# KiCad board fpga.kicad_pcb (continued)
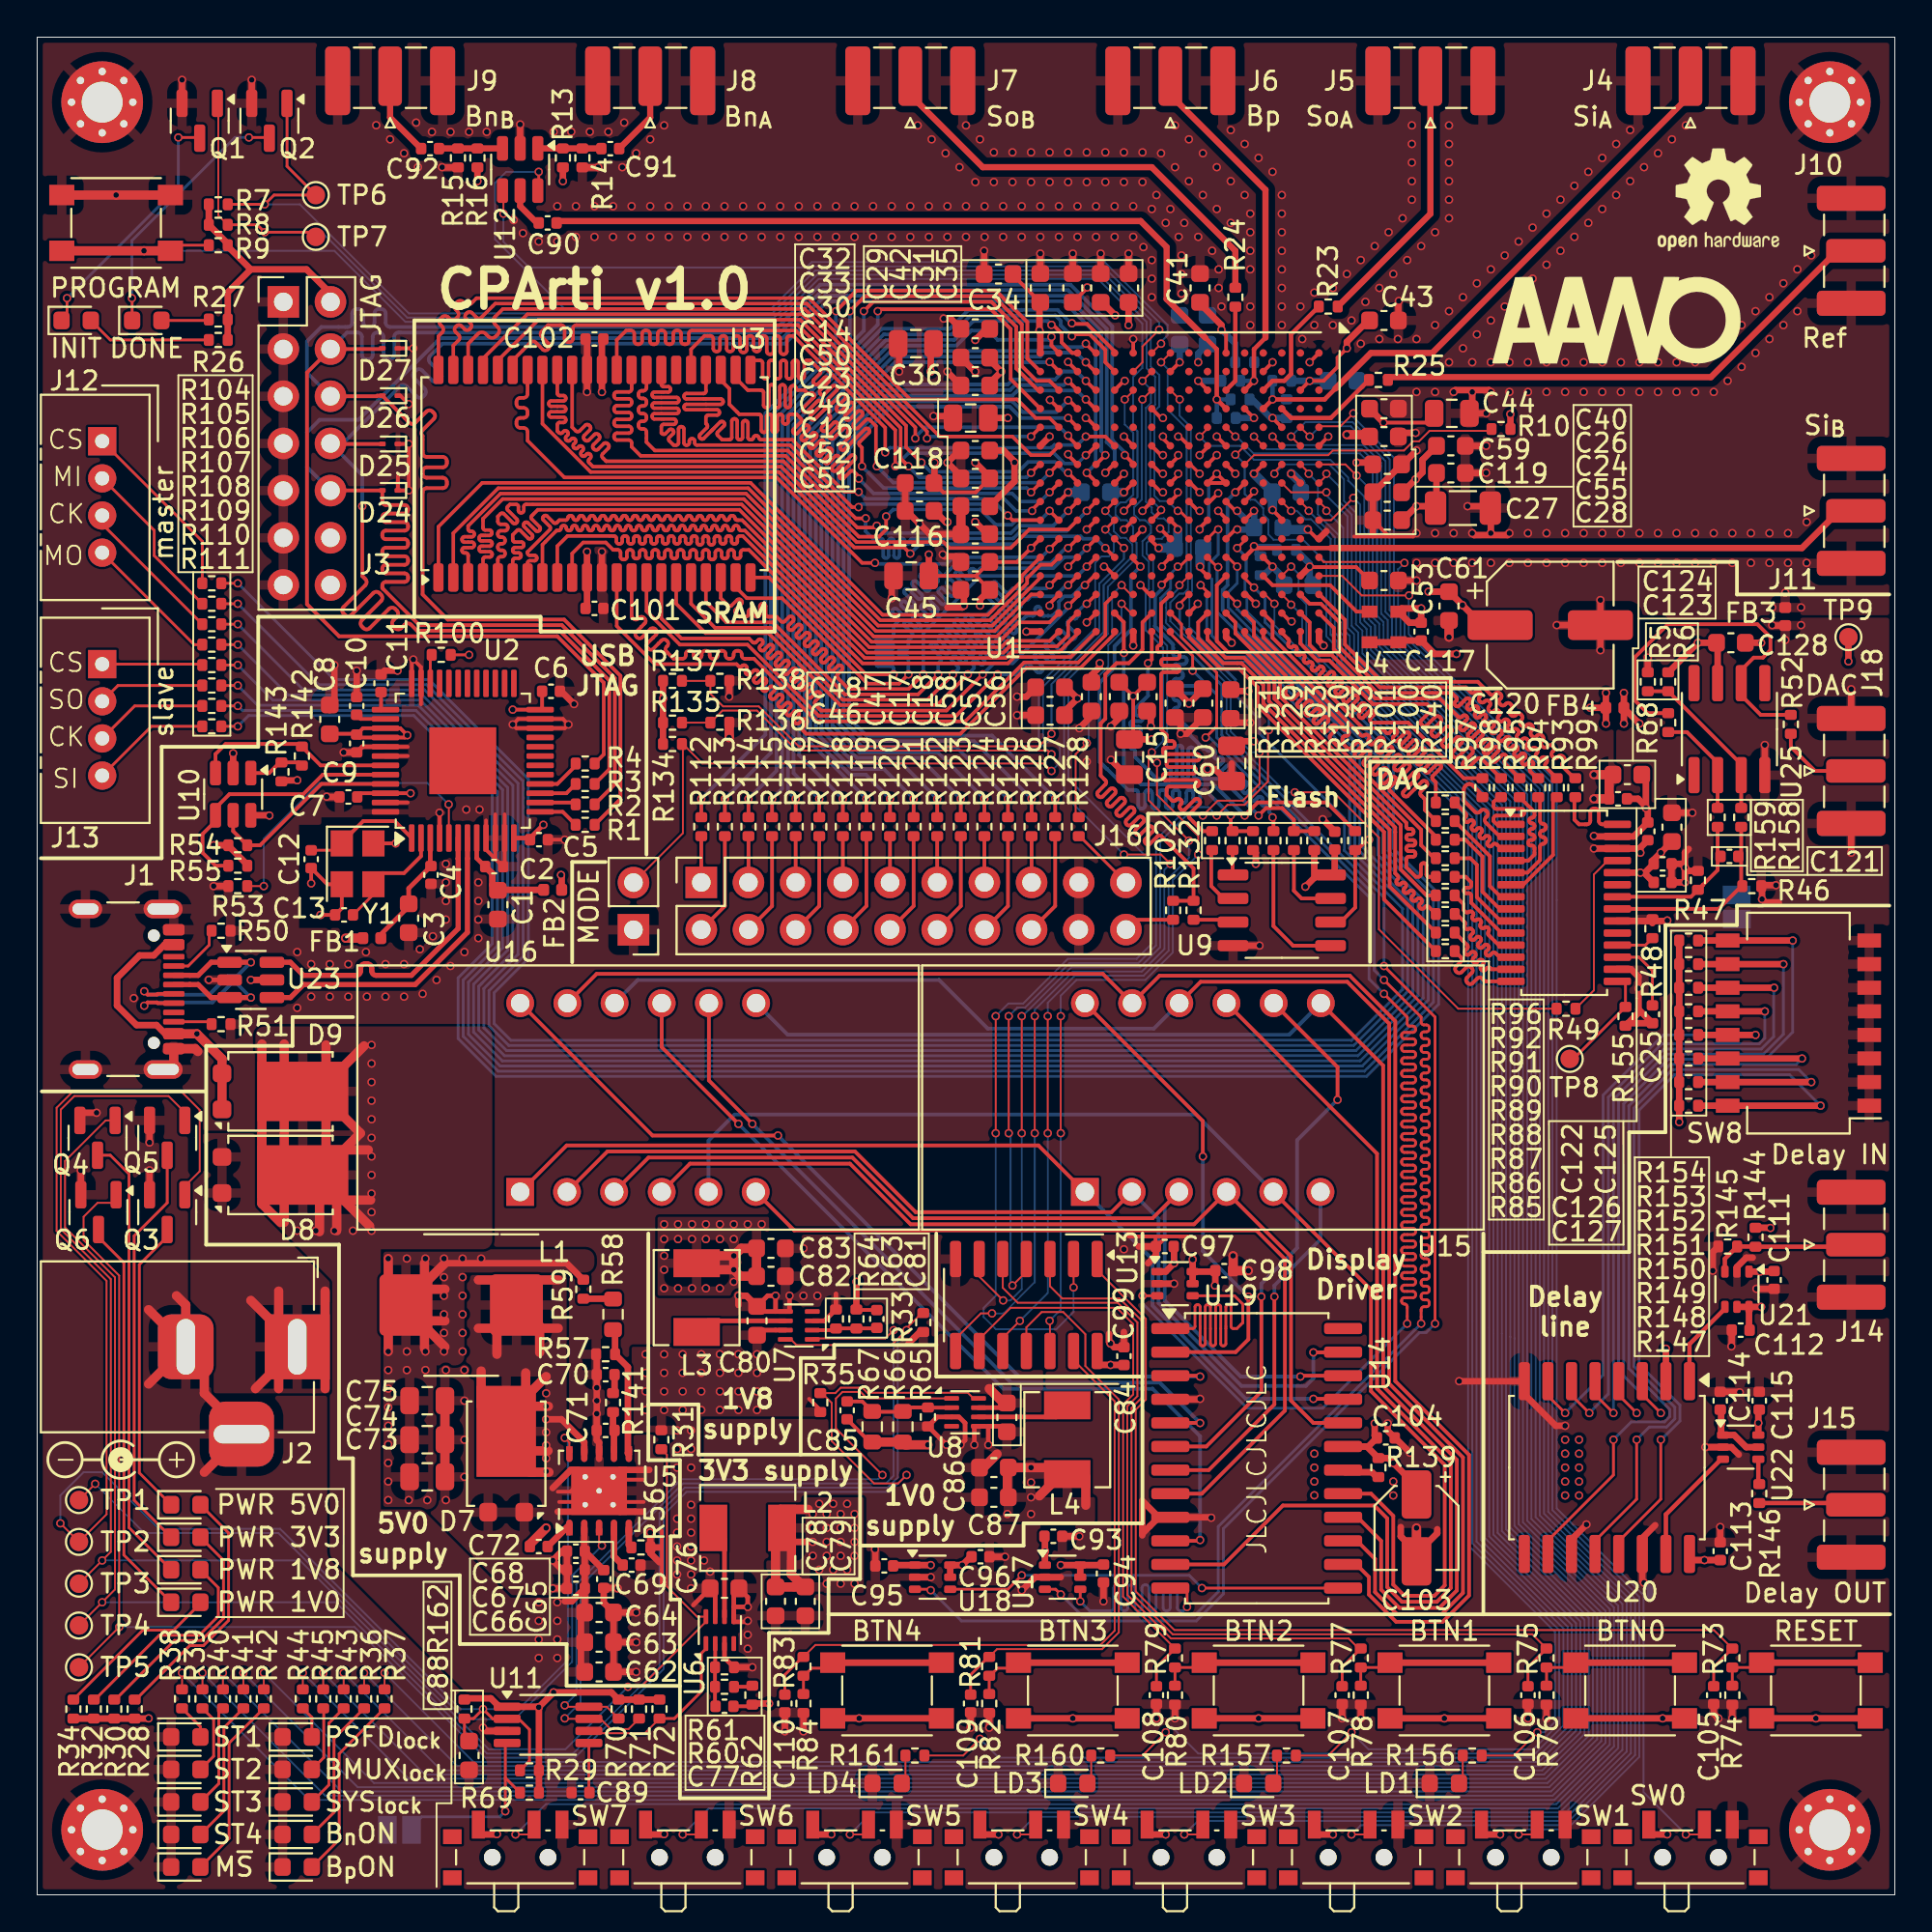
[diagram p0: board, top side]
## Routing (per net, layer and track width the routed paths; a pad name or vN(x,y) marks a point on that pad's centre or on a via; arc(x,y) is an arc through that point) (continued)
  Top w0.5: C73.1 C74.1 C75.1 ; BTN7.2 v1(4.25,91.5) BTN7.2 ; v1(64.38,34.4) 64.38,34.39 C98.1 v1(65.2,33.6) ; v1(83.8,59) C123.2 84.62,60.09 C124.1 v1(83.8,60.3) ; 7.5,32.25 8,31.75 J2.2 ; C61.1 v1(76,67.7) ; C86.1 50.94,23 51.67,23.73 ; J1.S1 7.37,44.43 7.35,44.44 J1.A12 8.5,45.55 8.65,45.4 ; C103.2 v1(74.25,19.75) ; J2.2 6,27.5 ; J2.2 6,31.5 ; J2.2 9,28.5 9,27 11,25 J2.3 11,24.75 9,22.75 ; 37.26,62.36 v1(37.25,62.3) R136.2 ; C49.1 C16.1
  In1(GND).Cu w0.35: 30.4,71.2 v1(30.4,72.3) 30.4,73.2 ; 29.6,80 v1(29.6,80.9) 29.6,81.8
  In1(GND).Cu w0.5: 86.3,56.33 84.62,56.33
  Bottom w0.2: 66.4,79.5 v1(66.5,79.5) 66.5,79.51 ; 67.24,79.5 R20.2
  Bottom w0.35: R12.2 65.41,80.5 66.41,79.5 v1(66.5,79.5) 67.24,79.5 ; 86.82,16 86.82,16.48 v1(86.5,16.8) ; R22.2 66.04,71.04 v1(66.5,71.5) 66.85,71.15 66.85,70.75 67.1,70.5 C54.1 ; R18.2 v1(62.5,81.5)
  Bottom w0.5: C39.1 68.03,76 67.53,76.5 v1(67.5,76.5) ; 66.95,73.6 67.05,73.5 v1(68.4,73.5) ; C22.1 v1(55.5,75.5) ; v1(62.6,71.5) 62.6,72.33 C19.1
  vias: v1(5.2,48.27) v1(14,50.75) v1(14,47.75) v1(14.75,50.1) v1(14.75,48.35) v1(15.75,50.1) v1(15.75,48.35) v1(16.75,50.1) v1(16.75,48.35) v1(17.7,50.75) v1(17.75,48.35) v1(18.25,95.26) v1(18.75,50.1) v1(18.75,48.35) v1(19,94.5) v1(19.75,50.1) v1(19.75,93.75) v1(19.75,48.35) v1(20.4,95.4) v1(20.5,93) v1(20.6,50.9) v1(20.75,48.5) v1(21.25,94.9) v1(21.3,51.6) v1(21.5,49.25) v1(22,55.5) v1(22,54.5) v1(22,53.5) v1(22,52.5) v1(22,28.25) v1(22,21.25) v1(22.25,94.9) v1(22.25,50) v1(23,50.75) v1(23,28.25) v1(23,26.6) v1(23,24.5) v1(23,22.5) v1(23.1,58.42) v1(23.25,94.9) v1(23.81,58.42) v1(23.75,54.5) v1(23.75,53.5) v1(23.75,52.5) v1(23.75,51.5) v1(24.2,94.9) v1(25.65,90.15) v1(26.15,89.45) v1(27,89) v1(27.8,94.91) v1(28,90.9) v1(28,89) v1(28.75,94.91) v1(29,90.9) v1(29,89.25) v1(29.75,94.91) v1(30,90.9) v1(30,89.25) v1(30.75,94.91) v1(31,90.9) v1(31,89.25) v1(31.5,93) v1(31.6,95.4) v1(32,90.9) v1(32,89.25) v1(32.25,93.75) v1(33,94.5) v1(33,90.9) v1(33,89.25) v1(33.75,95.25) v1(34,90.9) v1(34,89.25) v1(35,90.9) v1(35,89.25) v1(36,90.9) v1(36,89.25) v1(37,90.9) v1(37,89.25) v1(38,90.9) v1(38,89.25) v1(38.25,14) v1(38.25,13.25) v1(39,90.9) v1(39,89.25) v1(40,90.9) v1(40,89.25) v1(41,90.9) v1(41,89.25) v1(41.25,34.8) v1(41.25,32.25) v1(42,90.9) v1(42,89.25) v1(42,32.25) v1(43,90.9) v1(43,89.25) v1(44,90.9) v1(44,89.25) v1(45,90.9) v1(45,89.25) v1(46,90.9) v1(46,89.25) v1(47,90.9) v1(47,89.25) v1(47.4,95.25) v1(48,90.9) v1(48,89.25) v1(48.15,94.5) v1(48.25,79.6) v1(48.9,93.75) v1(49,90.9) v1(49,89.25) v1(49.65,93) v1(50,95.25) v1(50,90.9) v1(50,89.25) v1(50.5,92.2) v1(50.75,94.5) v1(51,90.9) v1(51,89.25) v1(51.5,93.8) v1(51.5,92.2) v1(52,90.9) v1(52,89.25) v1(52.5,93.8) v1(52.5,92.2) v1(53,90.9) v1(53,89.25) v1(53.5,93.8) v1(53.5,92.2) v1(54,90.9) v1(54,89.25) v1(54.5,93.8) v1(54.5,92.2) v1(55,90.9) v1(55,89.25) v1(55.5,93.8) v1(55.5,92.2) v1(56,90.9) v1(56,89.25) v1(56.5,93.8) v1(56.5,92.2) v1(56.5,61) v1(57,90.9) v1(57,89.25) v1(57.5,93.8) v1(57.5,92.2) v1(58,90.9) v1(58,89.25) v1(58.5,93.8) v1(58.5,92.2) v1(58.5,34.75) v1(59,90.9) v1(59,89.25) v1(59.5,93.8) v1(59.5,92.2) v1(59.55,88.7) v1(60,90.75) v1(60,88) v1(60,87) v1(60,86) v1(60.25,91.5) v1(60.5,93.75) v1(60.75,90) v1(61,90.75) v1(61.25,95.25) v1(61.25,93) v1(61.45,89.25) v1(61.6,88.25) v1(61.6,87.25) v1(61.6,86.2) v1(61.75,90) v1(62,94.5) v1(62,92.25) v1(62.5,89.25) v1(62.75,93.75) v1(62.75,91.5) v1(63.25,88.5) v1(63.5,93) v1(63.5,90.75) v1(63.6,87.5) v1(63.6,86.5) v1(63.75,85.5) v1(64.25,95) v1(64.25,92.25) v1(64.25,90) v1(65,94.25) v1(65,91.5) v1(65.3,90.5) v1(65.3,89.5) v1(65.3,88.5) v1(65.3,87.5) v1(65.3,85.5) v1(65.3,84.5) v1(65.75,93.5) v1(66.5,92.75) v1(67,91.5) v1(67,90.5) v1(67,89.5) v1(67,88.5) v1(67,87.5) v1(67,86.5) v1(67,85.5) v1(67,84.5) v1(68,85.5) v1(68.1,83.75) v1(68.75,86.25) v1(68.75,84.5) v1(69.75,86.5) v1(69.75,84.5) v1(70.5,87.25) v1(70.75,84.75) v1(71.25,88) v1(71.25,83.5) v1(71.5,85.75) v1(72,88.75) v1(72.25,86.5) v1(72.25,83.75) v1(72.75,89.5) v1(73,87.25) v1(73.25,83.75) v1(73.5,90.25) v1(73.75,88) v1(74,95.25) v1(74,94.25) v1(74,93.25) v1(74,92.25) v1(74,91.25) v1(74.25,83.75) v1(74.25,80.9) v1(74.25,71.7) v1(74.5,88.75) v1(75.25,89.5) v1(75.25,84.5) v1(75.25,80.9) v1(75.25,73.3) v1(75.25,71.7) v1(76,95.25) v1(76,94.25) v1(76,93.25) v1(76,92.25) v1(76,91.25) v1(76,90.25) v1(76,85.25) v1(76,82.5) v1(76.25,73.3) v1(76.25,71.7) v1(76.75,86) v1(76.75,83.25) v1(77.25,82.5) v1(77.25,71.7) v1(77.5,86.75) v1(77.5,84) v1(78.25,87.5) v1(78.25,84.75) v1(78.25,82.5) v1(78.25,71.7) v1(79,88.25) v1(79,85.5) v1(79.25,82.5) v1(79.25,80.9) v1(79.25,71.7) v1(79.75,89) v1(79.75,86.25) v1(80.25,82.5) v1(80.25,80.9) v1(80.25,73.3) v1(80.25,71.7) v1(80.5,89.75) v1(80.5,87) v1(81.25,90.5) v1(81.25,87.75) v1(81.25,82.5) v1(81.25,80.9) v1(81.25,73.3) v1(81.25,71.7) v1(82,91.25) v1(82,88.5) v1(82.25,82.5) v1(82.25,80.9) v1(82.25,73.3) v1(82.25,71.7) v1(82.75,92) v1(82.75,89.25) v1(83.25,82.5) v1(83.25,80.9) v1(83.25,73.3) v1(83.25,71.7) v1(83.5,92.75) v1(83.5,90) v1(84.25,93.5) v1(84.25,90.75) v1(84.25,82.5) v1(84.25,80.9) v1(84.25,73.3) v1(84.25,71.7) v1(85,94.25) v1(85,91.5) v1(85.25,82.5) v1(85.25,80.9) v1(85.25,73.3) v1(85.25,71.7) v1(85.75,95) v1(85.75,92.25) v1(86.25,82.5) v1(86.25,80.9) v1(86.25,73.3) v1(86.25,71.7) v1(86.5,93) v1(87.25,93.75) v1(87.25,82.5) v1(87.25,80.9) v1(87.25,73.3) v1(87.25,71.7) v1(88,94.5) v1(88.25,82.5) v1(88.25,80.9) v1(88.25,73.3) v1(88.25,71.7) v1(88.75,95.25) v1(89.25,82.5) v1(89.25,80.9) v1(89.25,73.3) v1(89.25,71.7) v1(90.25,83) v1(90.25,80.9) v1(90.25,73.3) v1(90.25,71.7) v1(91,83.75) v1(91,81.5) v1(91.25,73.3) v1(91.25,71.7) v1(91.75,84.5) v1(91.75,82.25) v1(92.25,73.3) v1(92.25,71.7) v1(92.5,85.25) v1(92.5,83) v1(93.25,86) v1(93.25,83.75) v1(93.25,73.3) v1(93.25,71.7) v1(93.4,69.3) v1(94,86.75) v1(94,84.5) v1(94.1,70.1) v1(94.25,73.3) v1(94.25,71.7) v1(94.75,87.5) v1(94.75,85.25) v1(94.95,69.3) v1(95.25,73.9) v1(95.25,71.7) v1(95.5,88.25)
GNDA: length 26
  Top w0.35: 86.4,52.42 87.72,52.42 v1(87.75,52.45) ; 86.4,52.42 86.83,52.42 86.95,52.31 ; 86.4,52.42 85.06,52.42 ; C125.1 v1(89.1,58.25) ; J18.2 v1(97.65,56.1) ; FB3.2 93.43,68.33 v1(93.4,68.35) ; U25.4 v1(93,61.9) ; v1(88.7,55.3) 88.7,56.1 88.9,56.3 ; v1(88.7,55.3) 88.88,55.12 R47.2 ; v1(88.7,55.3) 88.7,55.3 v1(88.7,54.5) C127.2 C126.2 88.5,55.5 v1(88.7,55.3) ; 93.75,53.42 93.03,53.42 v1(92.85,53.6) 92.85,54.31 92.81,54.35 v1(93.6,54.35) ; U24.16 85.8,49.83 86.2,49.42 v1(86.2,48.8) 86.2,47.67 ; J18.2 v1(97.65,64.9) ; R5.1 v1(86.7,66.6) ; 86.2,47.67 86.2,47.48 R155.1 85.64,46.92 C25.2 86.2,47.67 ; C128.1 v1(92.8,67.4)
  vias: v1(94.1,67.55) v1(94.95,68.35)
VBUS: length 20.1
  Top w0.35: U23.5 v1(11.5,49.25) ; J1.A4 6.86,51.15 6.28,50.57 5.51,50.57 4.3,49.36 4.3,47.87 5.35,46.82 6.42,46.82 6.89,46.35 J1.A9
  Top w0.5: D9.1 D9.2 9.95,45 v1(8.6,46.35) J1.A9
  In2(VCC).Cu w0.5: v1(8.6,46.35) 8.6,46.35 11.5,49.25 v1(11.5,49.25)
VDD: length 71.5
  Top w0.35: C68.2 29.45,18.53 U5.2 ; C68.2 C65.2 ; C68.2 C67.2 C66.2 ; 28.4,15.8 28.78,15.8 C66.2 ; C66.2 29.48,15.41 29.28,15.2 29.28,12 ; 12.05,44.5 12.05,45.35 ; 15.15,43.25 D9.3 15.55,44.5 15.55,45.2
  Top w0.5: 12.1,40.75 12.1,37.6 ; 12.1,40.75 12.1,45.8 ; 12.1,40.75 12.1,37.2 13.1,36.2 ; 13.3,45.8 13.3,36.2 ; 15.7,37.4 17.95,37.4 ; 17.6,45.7 15.15,43.25 17.4,41 15.15,38.75 ; D8.3 15.15,38.75 ; D8.3 15.55,40 15.55,45.75 ; D8.3 15.5,38.75 ; 15.15,38.75 17.9,36 ; 15.5,38.75 16,38.25 ; 15.5,38.75 16.12,38.12 16.12,35.75 ; 15.57,40.1 17.82,40.1 ; 15.2,35.7 15.2,37.85
  vias: v1(14,35.75) v1(15,35.75) v1(16,35.75) v1(17,35.75) v1(18,45.75) v1(18,44.75) v1(18,43.75) v1(18,42.75) v1(18,41.75) v1(18,40.75) v1(18,39.75) v1(18,38.75) v1(18,37.75) v1(18,36.75) v1(18,35.75) v1(27,15.75) v1(27,14.75) v1(27,13.75) v1(27,12.75) v1(28,15.75) v1(28,14.75) v1(28,13.75) v1(28,12.75)
7SEG_{CLK}: length 85.5
  Top w0.15: v1(48.1,16.4) 48.05,16.45 U18.3 ; v1(61.4,71.5) 61.5,71.5 U1.H12 ; v1(75.25,30.75) 75.25,47.25 v1(72.5,50)
  Bottom w0.15: v1(72.5,50) 72.5,53.69 63.77,62.42 63.77,65.12 60.47,68.41 60.47,69.78 61.01,70.32 61.01,71.11 v1(61.4,71.5) ; v1(75.25,30.75) 74.77,30.27 74.41,30.27 63.86,19.71 63.86,16.2 62.4,14.74 49.76,14.74 v1(48.1,16.4)
7SEG_{DIN}: length 91.8
  Top w0.15: v1(62.9,62.3) 63.5,62.9 63.5,63.2 ; U19.3 v1(59.5,32.25) ; 63.5,62.99 63.5,63.2 ; 63.5,63.2 63.5,65.79 61.6,67.69 61.6,68.4 U1.J15 ; v1(72.5,48.5) 73.75,47.25 73.75,46.9 arc(73.79,46.8) 73.89,46.76 74.06,46.76 arc(74.16,46.72) 74.2,46.63 74.2,46.56 arc(74.16,46.46) 74.06,46.42 73.59,46.42 arc(73.49,46.38) 73.45,46.29 73.45,46.22 arc(73.49,46.12) 73.59,46.08 74.06,46.08 arc(74.16,46.04) 74.2,45.95 74.2,45.88 arc(74.16,45.78) 74.06,45.74 73.59,45.74 arc(73.49,45.7) 73.45,45.61 73.45,45.54 arc(73.49,45.44) 73.59,45.4 74.06,45.4 arc(74.16,45.36) 74.2,45.27 74.2,45.2 arc(74.16,45.1) 74.06,45.06 73.59,45.06 arc(73.49,45.02) 73.45,44.93 73.45,44.86 arc(73.49,44.76) 73.59,44.72 74.06,44.72 arc(74.16,44.68) 74.2,44.59 74.2,44.52 arc(74.16,44.42) 74.06,44.38 73.59,44.38 arc(73.49,44.34) 73.45,44.25 73.45,44.18 arc(73.49,44.08) 73.59,44.04 74.06,44.04 arc(74.16,44) 74.2,43.91 74.2,43.84 arc(74.16,43.74) 74.06,43.7 73.59,43.7 arc(73.49,43.66) 73.45,43.57 73.45,43.5 arc(73.49,43.4) 73.59,43.36 74.06,43.36 arc(74.16,43.32) 74.2,43.23 74.2,43.16 arc(74.16,43.06) 74.06,43.02 73.59,43.02 arc(73.49,42.98) 73.45,42.89 73.45,42.82 arc(73.49,42.72) 73.59,42.68 74.06,42.68 arc(74.16,42.64) 74.2,42.55 74.2,42.48 arc(74.16,42.38) 74.06,42.34 73.59,42.34 arc(73.49,42.3) 73.45,42.21 73.45,42.14 arc(73.49,42.04) 73.59,42 74.06,42 arc(74.16,41.96) 74.2,41.87 74.2,41.8 arc(74.16,41.7) 74.06,41.66 73.59,41.66 arc(73.49,41.62) 73.45,41.53 73.45,41.46 arc(73.49,41.36) 73.59,41.32 74.06,41.32 arc(74.16,41.28) 74.2,41.19 74.2,41.12 arc(74.16,41.02) 74.06,40.98 73.59,40.98 arc(73.49,40.94) 73.45,40.85 73.45,40.78 arc(73.49,40.68) 73.59,40.64 74.06,40.64 arc(74.16,40.6) 74.2,40.51 74.2,40.44 arc(74.16,40.34) 74.06,40.3 73.59,40.3 arc(73.49,40.26) 73.45,40.17 73.45,40.1 arc(73.49,40) 73.59,39.96 74.06,39.96 arc(74.16,39.92) 74.2,39.83 74.2,39.76 arc(74.16,39.66) 74.06,39.62 73.59,39.62 arc(73.49,39.58) 73.45,39.49 73.45,39.42 arc(73.49,39.32) 73.59,39.28 74.06,39.28 arc(74.16,39.24) 74.2,39.15 74.2,39.08 arc(74.16,38.98) 74.06,38.94 73.59,38.94 arc(73.49,38.9) 73.45,38.81 73.45,38.74 arc(73.49,38.64) 73.59,38.6 74.06,38.6 arc(74.16,38.56) 74.2,38.47 74.2,38.4 arc(74.16,38.3) 74.06,38.26 73.59,38.26 arc(73.49,38.22) 73.45,38.13 73.45,38.06 arc(73.49,37.96) 73.59,37.92 74.06,37.92 arc(74.16,37.88) 74.2,37.79 74.2,37.72 arc(74.16,37.62) 74.06,37.58 73.59,37.58 arc(73.49,37.54) 73.45,37.45 73.45,37.38 arc(73.49,37.28) 73.59,37.24 74.06,37.24 arc(74.16,37.2) 74.2,37.11 74.2,37.04 arc(74.16,36.94) 74.06,36.9 73.59,36.9 arc(73.49,36.86) 73.45,36.77 73.45,36.7 arc(73.49,36.6) 73.59,36.56 74.06,36.56 arc(74.16,36.52) 74.2,36.43 74.2,36.36 arc(74.16,36.26) 74.06,36.22 73.59,36.22 arc(73.49,36.18) 73.45,36.09 73.45,36.02 arc(73.49,35.92) 73.59,35.88 74.06,35.88 arc(74.16,35.84) 74.2,35.75 74.2,35.68 arc(74.16,35.58) 74.06,35.54 73.59,35.54 arc(73.49,35.5) 73.45,35.41 73.45,35.34 arc(73.49,35.24) 73.59,35.2 74.06,35.2 arc(74.16,35.16) 74.2,35.07 74.2,35 arc(74.16,34.9) 74.06,34.86 73.59,34.86 arc(73.49,34.82) 73.45,34.73 73.45,34.66 arc(73.49,34.56) 73.59,34.52 74.06,34.52 arc(74.16,34.48) 74.2,34.39 74.2,34.32 arc(74.16,34.22) 74.06,34.18 73.59,34.18 arc(73.49,34.14) 73.45,34.05 73.45,33.98 arc(73.49,33.88) 73.59,33.84 74.06,33.84 arc(74.16,33.8) 74.2,33.71 74.2,33.64 arc(74.16,33.54) 74.06,33.5 73.59,33.5 arc(73.49,33.46) 73.45,33.37 73.45,33.3 arc(73.49,33.2) 73.59,33.16 74.06,33.16 arc(74.16,33.12) 74.2,33.03 74.2,32.96 arc(74.16,32.86) 74.06,32.82 73.59,32.82 arc(73.49,32.78) 73.45,32.69 73.45,32.62 arc(73.49,32.52) 73.59,32.48 74.06,32.48 arc(74.16,32.44) 74.2,32.35 74.2,32.28 arc(74.16,32.18) 74.06,32.14 73.59,32.14 arc(73.49,32.1) 73.45,32.01 73.45,31.94 arc(73.49,31.84) 73.59,31.8 73.61,31.8 arc(73.71,31.76) 73.75,31.67 v1(73.75,30.75)
  Bottom w0.15: v1(73.75,30.75) 69.2,26.2 65.14,26.2 59.5,31.84 v1(59.5,32.25) ; v1(62.9,62.3) 63.11,62.3 71.7,53.71 71.7,49.3 v1(72.5,48.5)
7SEG_{LOAD}: length 85.3
  Top w0.15: v1(72.5,49.25) 74.5,47.25 74.5,46.98 arc(74.54,46.87) 74.65,46.83 74.79,46.83 arc(74.89,46.79) 74.94,46.68 74.94,46.61 arc(74.89,46.5) 74.79,46.46 74.65,46.46 arc(74.54,46.42) 74.5,46.31 74.5,46.24 arc(74.54,46.13) 74.65,46.09 74.79,46.09 arc(74.89,46.05) 74.94,45.94 74.94,45.87 arc(74.89,45.76) 74.79,45.72 74.65,45.72 arc(74.54,45.68) 74.5,45.57 74.5,45.5 arc(74.54,45.39) 74.65,45.35 74.79,45.35 arc(74.89,45.31) 74.94,45.2 74.94,45.13 arc(74.89,45.02) 74.79,44.98 74.65,44.98 arc(74.54,44.94) 74.5,44.83 74.5,44.76 arc(74.54,44.65) 74.65,44.61 74.79,44.61 arc(74.89,44.57) 74.94,44.46 74.94,44.39 arc(74.89,44.28) 74.79,44.24 74.65,44.24 arc(74.54,44.2) 74.5,44.09 74.5,44.02 arc(74.54,43.91) 74.65,43.87 74.79,43.87 arc(74.89,43.83) 74.94,43.72 74.94,43.65 arc(74.89,43.54) 74.79,43.5 74.65,43.5 arc(74.54,43.46) 74.5,43.35 74.5,43.28 arc(74.54,43.17) 74.65,43.13 74.79,43.13 arc(74.89,43.09) 74.94,42.98 74.94,42.91 arc(74.89,42.8) 74.79,42.76 74.65,42.76 arc(74.54,42.72) 74.5,42.61 74.5,42.54 arc(74.54,42.43) 74.65,42.39 74.79,42.39 arc(74.89,42.35) 74.94,42.24 74.94,42.17 arc(74.89,42.06) 74.79,42.02 74.65,42.02 arc(74.54,41.98) 74.5,41.87 74.5,41.8 arc(74.54,41.69) 74.65,41.65 74.79,41.65 arc(74.89,41.61) 74.94,41.5 74.94,41.43 arc(74.89,41.32) 74.79,41.28 74.65,41.28 arc(74.54,41.24) 74.5,41.13 74.5,41.06 arc(74.54,40.95) 74.65,40.91 74.79,40.91 arc(74.89,40.87) 74.94,40.76 74.94,40.69 arc(74.89,40.58) 74.79,40.54 74.65,40.54 arc(74.54,40.5) 74.5,40.39 74.5,40.32 arc(74.54,40.21) 74.65,40.17 74.79,40.17 arc(74.89,40.13) 74.94,40.02 74.94,39.95 arc(74.89,39.84) 74.79,39.8 74.65,39.8 arc(74.54,39.76) 74.5,39.65 74.5,39.58 arc(74.54,39.47) 74.65,39.43 74.79,39.43 arc(74.89,39.39) 74.94,39.28 74.94,39.21 arc(74.89,39.1) 74.79,39.06 74.65,39.06 arc(74.54,39.02) 74.5,38.91 74.5,38.84 arc(74.54,38.73) 74.65,38.69 74.79,38.69 arc(74.89,38.65) 74.94,38.54 74.94,38.47 arc(74.89,38.36) 74.79,38.32 74.65,38.32 arc(74.54,38.28) 74.5,38.17 74.5,38.1 arc(74.54,37.99) 74.65,37.95 74.79,37.95 arc(74.89,37.91) 74.94,37.8 74.94,37.73 arc(74.89,37.62) 74.79,37.58 74.65,37.58 arc(74.54,37.54) 74.5,37.43 74.5,37.36 arc(74.54,37.25) 74.65,37.21 74.79,37.21 arc(74.89,37.17) 74.94,37.06 74.94,36.99 arc(74.89,36.88) 74.79,36.84 74.65,36.84 arc(74.54,36.8) 74.5,36.69 74.5,36.62 arc(74.54,36.51) 74.65,36.47 74.79,36.47 arc(74.89,36.43) 74.94,36.32 74.94,36.25 arc(74.89,36.14) 74.79,36.1 74.65,36.1 arc(74.54,36.06) 74.5,35.95 74.5,35.88 arc(74.54,35.77) 74.65,35.73 74.79,35.73 arc(74.89,35.69) 74.94,35.58 74.94,35.51 arc(74.89,35.4) 74.79,35.36 74.65,35.36 arc(74.54,35.32) 74.5,35.21 74.5,35.14 arc(74.54,35.03) 74.65,34.99 74.79,34.99 arc(74.89,34.95) 74.94,34.84 74.94,34.77 arc(74.89,34.66) 74.79,34.62 74.65,34.62 arc(74.54,34.58) 74.5,34.47 74.5,34.4 arc(74.54,34.29) 74.65,34.25 74.79,34.25 arc(74.89,34.21) 74.94,34.1 74.94,34.03 arc(74.89,33.92) 74.79,33.88 74.65,33.88 arc(74.54,33.84) 74.5,33.73 74.5,33.66 arc(74.54,33.55) 74.65,33.51 74.79,33.51 arc(74.89,33.47) 74.94,33.36 74.94,33.29 arc(74.89,33.18) 74.79,33.14 74.65,33.14 arc(74.54,33.1) 74.5,32.99 74.5,32.92 arc(74.54,32.81) 74.65,32.77 74.79,32.77 arc(74.89,32.73) 74.94,32.62 74.94,32.55 arc(74.89,32.44) 74.79,32.4 74.65,32.4 arc(74.54,32.36) 74.5,32.25 74.5,32.18 arc(74.54,32.07) 74.65,32.03 74.79,32.03 arc(74.89,31.99) 74.94,31.88 74.94,31.81 arc(74.89,31.7) 74.79,31.66 74.65,31.66 arc(74.54,31.62) 74.5,31.51 v1(74.5,30.75) ; U1.J16 61,67.9 62.2,66.7 v1(62.2,65.9) ; v1(55.1,16.17) 54.82,16.45 U17.3
  Bottom w0.15: v1(74.5,30.75) 63.58,19.83 63.58,16.32 62.28,15.02 56.25,15.02 v1(55.1,16.17) ; v1(72.5,49.25) 71.98,49.77 71.98,53.82 63.49,62.31 63.49,64.61 v1(62.2,65.9)
/config/CFGBVS: length 14
  Top w0.1: U1.E7 65.5,77.5 69.5,77.5 69.75,77.75 73.57,77.75 74.07,78.25 74.39,78.25 74.95,78.81 78.29,78.81
/config/DONE: length 74.9
  Top w0.15: v1(61.4,74.5) 61.5,74.5 U1.H10 ; R7.1 v1(12.25,91) 12.75,91.5 TP6.1 13.45,93.05 Q2.1
  Bottom w0.1: v1(61.4,74.5) 60.88,75.03 60.43,75.03 60.14,75.32 60.14,79.85 60.41,80.12 60.41,81.81 59.95,82.28 59.95,84.77 57.28,87.44 41.88,87.44 39.57,85.13 20.01,85.13 14.14,91 v1(12.25,91)
/config/INIT: length 74.6
  Top w0.1: Q1.1 9.75,96.39 9.75,90.41 R8.1
  Top w0.15: R8.1 11.85,89.9 v1(12.25,89.5) 14.75,89.5 TP7.1
  Top w0.2: U1.K10 60.5,74.5 v1(60.5,74.55)
  Bottom w0.1: v1(12.25,89.5) 15.32,89.5 19.92,84.9 39.67,84.9 41.97,87.21 57.18,87.21 59.72,84.68 59.72,82.18 60.18,81.72 60.18,80.22 59.91,79.95 59.91,75.14 v1(60.5,74.55)
/config/MODE0: length 37.3
  Top w0.1: 34.76,65.35 R138.1 36.24,64.66 36.92,63.98 38.84,63.98 40.99,61.83 53.93,61.83 v1(54.6,62.5)
  Top w0.15: U1.M9 v1(57.5,74.5)
  Bottom w0.1: v1(57.5,74.5) 57.95,74.05 57.95,73.4 58.31,73.05 58.6,73.05 58.95,72.69 58.95,72.04 57.41,70.5 57.41,67.98 54.6,65.17 v1(54.6,62.5)
/config/MODE1: length 36.3
  Top w0.1: v1(54.6,61.4) 54.4,61.6 40.9,61.6 38.75,63.75 36.89,63.75 R136.1 34.76,63.1
  Top w0.15: U1.M10 v1(57.5,73.5)
  Bottom w0.1: v1(54.6,61.4) 53.92,62.08 53.92,65.13 56.95,68.17 56.95,71.7 57.3,72.05 57.69,72.05 57.95,72.31 57.95,73.05 v1(57.5,73.5) 57.5,73.43
/config/MODE2: length 44.3
  Top w0.1: U1.M11 v1(58.5,72.5) ; v1(54.6,60.5) 54.2,60.9 35.81,60.9 34.76,61.95 34.76,57.15 JP1.2
  Bottom w0.1: v1(58.5,72.5) 58.5,71.91 57.18,70.59 57.18,68.07 54.15,65.04 54.15,62.31 54.41,62.05 54.79,62.05 55.05,61.78 55.05,60.95 v1(54.6,60.5)
/config/PROGRAM: length 76.7
  Top w0.15: BTN7.1 7.25,88.5 ; R9.1 7.47,88.8 7.25,88.58 ; v1(58.5,74.5) U1.L9
  Top w0.5: BTN7.1 v1(5.75,88.5) BTN7.1
  Bottom w0.1: v1(58.5,74.5) 59.23,75.23 59.23,78.79 59,79.02 59,81.7 59.49,82.19 59.49,84.58 57.09,86.98 42.07,86.98 39.76,84.67 19.83,84.67 16,88.5 v1(5.75,88.5)
/DAC/DAC_OPAMP_O: length 20.6
  Top w0.199: R68.2 86.69,63.61 86,64.3 86,66.61 87.79,68.4 92.6,68.4 93.3,67.7 93.3,67 92.9,66.6 92.4,66.6 91.73,65.93 U25.6 ; U25.6 91.73,64.57 92.78,63.52 R52.2 ; U25.6 91.73,64.53
/DAC/DAC_OPAMP_O_R: length 4.7
  Top w0.199: J18.1 95.7,60.5 94.4,61.8 R52.1
/DAC/IOUTA: length 8.3
  Top w0.199: 85.06,53.72 89.03,53.72 89.65,54.35 89.68,54.35 89.68,54.38 90.46,55.16 R159.1
/DAC/IOUTA_R: length 5.8
  Top w0.199: R68.1 88.81,62.59 90.46,60.94 U25.2 R159.2
/DAC/IOUTB: length 10.4
  Top w0.199: R158.1 91.73,54.41 91.79,54.35 90.51,53.08 U24.21
/DAC/IOUTB_R: length 9
  Top w0.199: R5.2 R6.2 91.73,60.86 U25.3 R158.2
/DAC/R_DAC_CLK: length 5
  Top w0.199: U24.28 84.25,57.62 arc(84.12,57.68) 84.07,57.81 84.07,58.29 arc(84.01,58.42) 83.88,58.47 83.79,58.47 arc(83.66,58.42) 83.61,58.29 83.61,57.81 arc(83.55,57.68) 83.42,57.62 83,57.62 82.75,57.88 82.75,59.04 R99.2
/DAC/R_DAC_D0: length 6
  Top w0.199: R85.2 76.64,50.47 arc(76.69,50.35) 76.64,50.23 76.37,49.96 arc(76.32,49.84) 76.37,49.72 76.43,49.66 arc(76.55,49.61) 76.67,49.66 76.94,49.93 arc(77.06,49.98) 77.18,49.93 77.23,49.88 arc(77.28,49.76) 77.23,49.64 76.96,49.37 arc(76.91,49.25) 76.96,49.13 77.02,49.07 arc(77.14,49.02) 77.26,49.07 77.53,49.34 arc(77.65,49.39) 77.77,49.34 77.94,49.17 U24.14
/DAC/R_DAC_D1: length 5.6
  Top w0.199: R86.2 76.99,51.12 arc(77.02,51.04) 76.99,50.95 76.88,50.84 arc(76.84,50.75) 76.88,50.67 76.92,50.63 arc(77,50.59) 77.09,50.63 77.2,50.74 arc(77.29,50.78) 77.37,50.74 77.41,50.7 arc(77.45,50.61) 77.41,50.53 77.3,50.41 arc(77.26,50.33) 77.3,50.25 77.34,50.2 arc(77.43,50.17) 77.51,50.2 77.62,50.32 arc(77.71,50.35) 77.79,50.32 77.84,50.27 arc(77.87,50.19) 77.84,50.1 77.72,49.99 arc(77.69,49.91) 77.72,49.82 77.76,49.78 arc(77.85,49.74) 77.93,49.78 78.05,49.89 arc(78.13,49.93) 78.22,49.89 78.28,49.83 U24.13
/DAC/R_DAC_D2: length 6.1
  Top w0.199: U24.12 78.73,50.47 78.5,50.7 arc(78.42,50.74) 78.33,50.7 78.21,50.58 arc(78.13,50.54) 78.04,50.58 78,50.62 arc(77.97,50.71) 78,50.79 78.12,50.91 arc(78.16,51) 78.12,51.08 78.08,51.12 arc(77.99,51.16) 77.91,51.12 77.79,51 arc(77.7,50.97) 77.62,51 77.58,51.05 arc(77.54,51.13) 77.58,51.21 77.7,51.34 arc(77.73,51.42) 77.7,51.5 77.66,51.55 arc(77.57,51.58) 77.49,51.55 77.37,51.43 arc(77.28,51.39) 77.2,51.43 77.15,51.47 arc(77.12,51.55) 77.15,51.64 77.27,51.76 arc(77.31,51.84) 77.27,51.93 77.2,52 arc(77.13,52.03) 77.06,52 arc(76.99,51.97) 76.92,52 76.85,52.07 arc(76.82,52.14) 76.85,52.21 arc(76.88,52.28) 76.85,52.35 76.4,52.8 R87.2
/DAC/R_DAC_D3: length 5.2
  Top w0.199: R88.2 76.78,53.33 76.78,53.02 76.89,52.91 arc(76.98,52.87) 77.06,52.91 77.07,52.91 arc(77.16,52.95) 77.24,52.91 77.28,52.87 arc(77.32,52.79) 77.28,52.7 77.28,52.69 arc(77.24,52.61) 77.28,52.52 77.32,52.48 arc(77.4,52.45) 77.49,52.48 77.49,52.49 arc(77.58,52.52) 77.66,52.49 77.71,52.45 arc(77.74,52.36) 77.71,52.28 77.7,52.27 arc(77.66,52.19) 77.7,52.1 77.74,52.06 arc(77.83,52.02) 77.91,52.06 77.92,52.07 arc(78,52.1) 78.09,52.07 78.13,52.02 arc(78.16,51.94) 78.13,51.85 78.12,51.85 arc(78.09,51.76) 78.12,51.68 78.68,51.12 U24.11
/DAC/R_DAC_D4: length 5.5
  Top w0.199: U24.10 78.82,51.78 77.2,53.4 77.2,53.8 arc(77.17,53.88) 77.08,53.92 76.92,53.92 arc(76.84,53.95) 76.8,54.04 76.8,54.1 arc(76.84,54.18) 76.92,54.22 77.08,54.22 arc(77.17,54.25) 77.2,54.34 77.2,54.5 76.9,54.8 R89.2
/DAC/R_DAC_D5: length 5.5
  Top w0.199: R90.2 77.15,55.8 77.5,55.45 77.5,53.7 78.78,52.42 79.34,52.42
/DAC/R_DAC_D6: length 5.7
  Top w0.199: R91.2 76.89,56.8 77.8,55.89 77.8,54 78.72,53.08 U24.8
/DAC/R_DAC_D7: length 5.7
  Top w0.199: 79.34,53.72 78.78,53.72 78.2,54.3 78.2,55.91 R92.2
/DAC/R_DAC_D8: length 6.1
  Top w0.199: R93.2 81.6,58.89 81.6,55.98 80,54.38 U24.6
/DAC/R_DAC_D9: length 6
  Top w0.199: U24.5 80.22,55.03 80.9,55.7 80.9,56.43 arc(80.94,56.53) 81.04,56.58 81.07,56.58 arc(81.17,56.62) 81.21,56.72 81.21,56.79 arc(81.17,56.89) 81.07,56.94 81.04,56.94 arc(80.94,56.98) 80.9,57.08 80.9,57.15 arc(80.94,57.25) 81.04,57.3 81.07,57.3 arc(81.17,57.34) 81.21,57.44 81.21,57.51 arc(81.17,57.61) 81.07,57.66 81.04,57.66 arc(80.94,57.7) 80.9,57.8 80.9,58.99 R94.2
